# KiCad board ciaa_acc.kicad_pcb (continued)
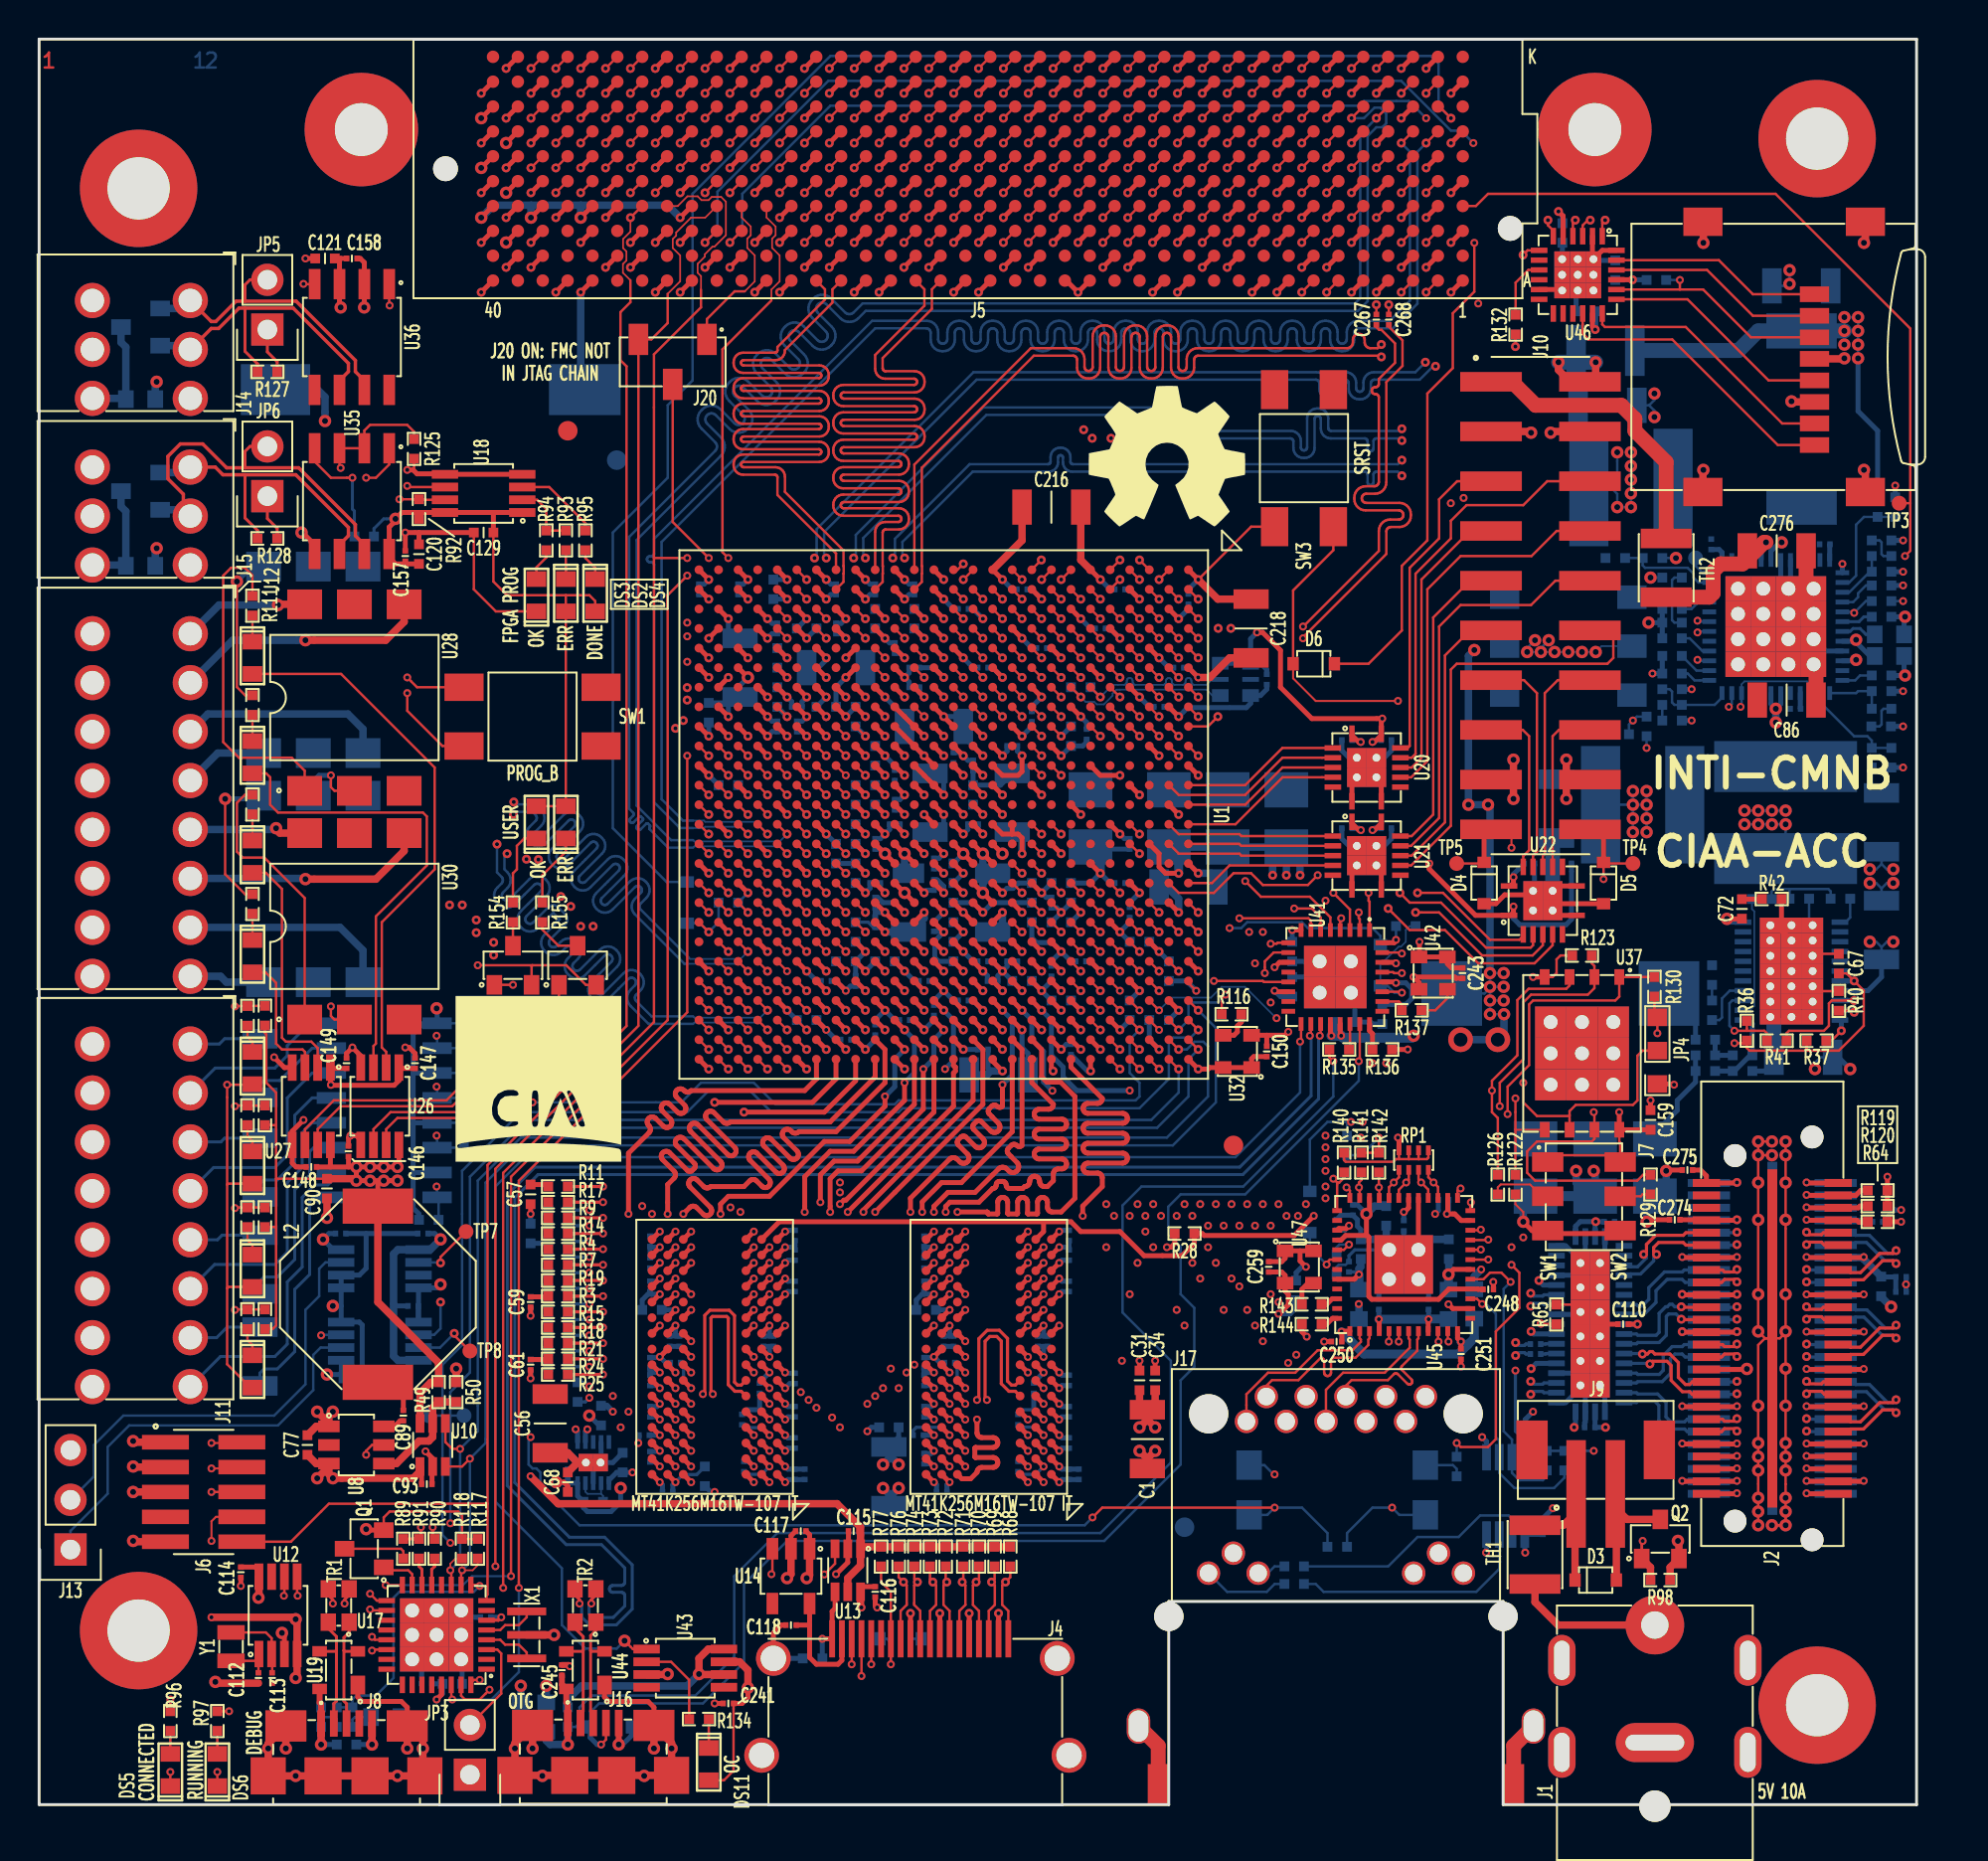
[diagram p0: board, top side]
## Routing (per net, layer and track width the routed paths; a pad name or vN(x,y) marks a point on that pad's centre or on a via; arc(x,y) is an arc through that point) (continued)
/Principal/BANKS_HP/FMC_HA_2_P: length 54.3
  TOP_L1.Sig w0.127: v2(64.49,88.67) 65.08,89.27 J5.K7 ; U1.G2 v2(53.2,61.57)
  L10.Sig w0.089: v2(53.2,61.57) 53.83,62.2 59.7,62.2 59.71,62.21 60.38,62.21 60.4,62.21 60.42,62.22 60.44,62.23 60.45,62.25 60.47,62.27 60.47,62.29 60.48,62.31 60.48,62.51 60.48,62.53 60.49,62.55 60.5,62.57 60.51,62.59 60.53,62.6 60.55,62.61 60.58,62.61 60.6,62.61 60.62,62.6 60.64,62.59 60.65,62.57 60.67,62.55 60.67,62.53 60.68,62.51 60.68,62.31 60.68,62.29 60.69,62.27 60.7,62.25 60.71,62.23 60.73,62.22 60.75,62.21 60.78,62.21 60.8,62.21 60.82,62.22 60.84,62.23 60.85,62.25 60.87,62.27 60.87,62.29 60.88,62.31 60.88,62.51 60.88,62.53 60.89,62.55 60.9,62.57 60.91,62.59 60.93,62.6 60.95,62.61 60.98,62.61 61,62.61 61.02,62.6 61.04,62.59 61.05,62.57 61.07,62.55 61.07,62.53 61.08,62.51 61.08,62.31 61.08,62.29 61.09,62.27 61.1,62.25 61.11,62.23 61.13,62.22 61.15,62.21 61.18,62.21 61.2,62.21 61.22,62.22 61.24,62.23 61.25,62.25 61.27,62.27 61.27,62.29 61.28,62.31 61.28,62.51 61.28,62.53 61.29,62.55 61.3,62.57 61.31,62.59 61.33,62.6 61.35,62.61 61.38,62.61 61.4,62.61 61.42,62.6 61.44,62.59 61.45,62.57 61.47,62.55 61.47,62.53 61.48,62.51 61.48,62.31 61.48,62.29 61.49,62.27 61.5,62.25 61.51,62.23 61.53,62.22 61.55,62.21 61.58,62.21 64.98,65.62 64.98,65.64 64.97,65.67 64.96,65.69 64.94,65.7 64.92,65.72 64.9,65.73 64.87,65.73 64.56,65.73 64.48,65.74 64.4,65.76 64.33,65.81 64.28,65.87 64.23,65.94 64.2,66.01 64.2,66.1 64.2,66.14 64.2,66.22 64.23,66.3 64.28,66.37 64.33,66.43 64.4,66.47 64.48,66.5 64.56,66.51 65.66,66.51 65.69,66.51 65.71,66.52 65.73,66.53 65.75,66.55 65.76,66.57 65.77,66.59 65.77,66.62 65.77,66.64 65.76,66.67 65.75,66.69 65.73,66.7 65.71,66.72 65.69,66.73 65.66,66.73 65.35,66.73 65.27,66.74 65.19,66.76 65.12,66.81 65.06,66.87 65.02,66.94 64.99,67.01 64.98,67.1 64.98,67.14 64.99,67.22 65.02,67.3 65.06,67.37 65.12,67.43 65.19,67.47 65.27,67.5 65.35,67.51 65.66,67.51 65.69,67.51 65.71,67.52 65.73,67.53 65.75,67.55 65.76,67.57 65.77,67.59 65.77,67.62 65.77,67.64 65.76,67.67 65.75,67.69 65.73,67.7 65.71,67.72 65.69,67.73 65.66,67.73 65.35,67.73 65.27,67.74 65.19,67.76 65.12,67.81 65.06,67.87 65.02,67.94 64.99,68.01 64.98,68.1 64.98,68.14 64.99,68.22 65.02,68.3 65.06,68.37 65.12,68.43 65.19,68.47 65.27,68.5 65.35,68.51 65.66,68.51 65.69,68.51 65.71,68.52 65.73,68.53 65.75,68.55 65.76,68.57 65.77,68.59 65.77,68.62 65.77,68.64 65.76,68.67 65.75,68.69 65.73,68.7 65.71,68.72 65.69,68.73 65.66,68.73 65.35,68.73 65.27,68.74 65.19,68.76 65.12,68.81 65.06,68.87 65.02,68.94 64.99,69.01 64.98,69.1 64.98,69.14 64.99,69.22 65.02,69.3 65.06,69.37 65.12,69.43 65.19,69.47 65.27,69.5 65.35,69.51 65.66,69.51 65.69,69.51 65.71,69.52 65.73,69.53 65.75,69.55 65.76,69.57 65.77,69.59 65.77,69.62 65.77,69.64 65.76,69.67 65.75,69.69 65.73,69.7 65.71,69.72 65.69,69.73 65.66,69.73 65.35,69.73 65.27,69.74 65.19,69.76 65.12,69.81 65.06,69.87 65.02,69.94 64.99,70.01 64.98,70.1 64.98,70.14 64.99,70.22 65.02,70.3 65.06,70.37 65.12,70.43 65.19,70.47 65.27,70.5 65.35,70.51 65.66,70.51 65.69,70.51 65.71,70.52 65.73,70.53 65.75,70.55 65.76,70.57 65.77,70.59 65.77,70.62 65.77,70.64 65.76,70.67 65.75,70.69 65.73,70.7 65.71,70.72 65.69,70.73 65.66,70.73 65.35,70.73 65.27,70.74 65.19,70.76 65.12,70.81 65.06,70.87 65.02,70.94 64.99,71.01 64.98,71.1 64.98,71.14 64.99,71.22 65.02,71.3 65.06,71.37 65.12,71.43 65.19,71.47 65.27,71.5 65.35,71.51 65.66,71.51 65.69,71.51 65.71,71.52 65.73,71.53 65.75,71.55 65.76,71.57 65.77,71.59 65.77,71.62 65.77,71.64 65.76,71.67 65.75,71.69 65.73,71.7 65.71,71.72 65.69,71.73 65.66,71.73 65.35,71.73 65.27,71.74 65.19,71.76 65.12,71.81 65.06,71.87 65.02,71.94 64.99,72.01 64.98,72.1 64.98,72.14 64.99,72.22 65.02,72.3 65.06,72.37 65.12,72.43 65.19,72.47 65.27,72.5 65.35,72.51 65.66,72.51 65.69,72.51 65.71,72.52 65.73,72.53 65.75,72.55 65.76,72.57 65.77,72.59 65.77,72.62 65.77,72.64 65.76,72.67 65.75,72.69 65.73,72.7 65.71,72.72 65.69,72.73 65.66,72.73 65.35,72.73 65.27,72.74 65.19,72.76 65.12,72.81 65.06,72.87 65.02,72.94 64.99,73.01 64.98,73.1 64.98,73.14 64.99,73.22 65.02,73.3 65.06,73.37 65.12,73.43 65.19,73.47 65.27,73.5 65.35,73.51 65.66,73.51 65.69,73.51 65.71,73.52 65.73,73.53 65.75,73.55 65.76,73.57 65.77,73.59 65.77,73.62 65.77,73.64 65.76,73.67 65.75,73.69 65.73,73.7 65.71,73.72 65.69,73.73 65.66,73.73 65.35,73.73 65.27,73.74 65.19,73.76 65.12,73.81 65.06,73.87 65.02,73.94 64.99,74.01 64.98,74.1 64.98,74.14 64.99,74.22 65.02,74.3 65.06,74.37 65.12,74.43 65.19,74.47 65.27,74.5 65.35,74.51 65.66,74.51 65.69,74.51 65.71,74.52 65.73,74.53 65.75,74.55 65.76,74.57 65.77,74.59 65.77,74.62 65.77,74.64 65.76,74.67 65.75,74.69 65.73,74.7 65.71,74.72 65.69,74.73 65.66,74.73 65.35,74.73 65.27,74.74 65.19,74.76 65.12,74.81 65.06,74.87 65.02,74.94 64.99,75.01 64.98,75.1 64.98,75.14 64.99,75.22 65.02,75.3 65.06,75.37 65.12,75.43 65.19,75.47 65.27,75.5 65.35,75.51 65.66,75.51 65.69,75.51 65.71,75.52 65.73,75.53 65.75,75.55 65.76,75.57 65.77,75.59 65.77,75.62 65.77,75.64 65.76,75.67 65.75,75.69 65.73,75.7 65.71,75.72 65.69,75.73 65.66,75.73 65.35,75.73 65.27,75.74 65.19,75.76 65.12,75.81 65.06,75.87 65.02,75.94 64.99,76.01 64.98,76.1 64.98,77.6 64.98,84.04 64.94,84.09 64.02,84.09 63.71,84.4 63.71,87.9 v2(64.49,88.67)
/Principal/BANKS_HP/FMC_HA_3_N: length 54.3
  TOP_L1.Sig w0.127: U1.F4 v2(54.2,59.57) ; J5.J7 65.08,88 v2(64.49,87.4)
  L10.Sig w0.089: v2(64.49,87.4) 65,87.4 65.5,87.91 66.01,87.91 66.27,87.66 66.27,87.15 65.89,86.77 65.76,86.77 65.26,86.27 65.26,85.94 65.56,85.64 66.2,85.64 66.53,85.3 66.53,76.86 66.54,76.84 66.54,76.82 66.56,76.79 66.57,76.78 66.6,76.76 66.62,76.76 66.64,76.75 66.93,76.75 67.01,76.74 67.09,76.72 67.16,76.67 67.21,76.61 67.26,76.54 67.29,76.47 67.29,76.39 67.29,76.34 67.29,76.26 67.26,76.18 67.21,76.11 67.16,76.05 67.09,76.01 67.01,75.98 66.93,75.97 66.64,75.97 66.62,75.97 66.6,75.96 66.57,75.95 66.56,75.93 66.54,75.91 66.54,75.89 66.53,75.86 66.54,75.84 66.54,75.82 66.56,75.79 66.57,75.78 66.6,75.76 66.62,75.76 66.64,75.75 66.93,75.75 67.01,75.74 67.09,75.72 67.16,75.67 67.21,75.61 67.26,75.54 67.29,75.47 67.29,75.39 67.29,75.34 67.29,75.26 67.26,75.18 67.21,75.11 67.16,75.05 67.09,75.01 67.01,74.98 66.93,74.97 66.64,74.97 66.62,74.97 66.6,74.96 66.57,74.95 66.56,74.93 66.54,74.91 66.54,74.89 66.53,74.86 66.54,74.84 66.54,74.82 66.56,74.79 66.57,74.78 66.6,74.76 66.62,74.76 66.64,74.75 66.93,74.75 67.01,74.74 67.09,74.72 67.16,74.67 67.21,74.61 67.26,74.54 67.29,74.47 67.29,74.39 67.29,74.34 67.29,74.26 67.26,74.18 67.21,74.11 67.16,74.05 67.09,74.01 67.01,73.98 66.93,73.97 66.64,73.97 66.62,73.97 66.6,73.96 66.57,73.95 66.56,73.93 66.54,73.91 66.54,73.89 66.53,73.86 66.54,73.84 66.54,73.82 66.56,73.79 66.57,73.78 66.6,73.76 66.62,73.76 66.64,73.75 66.93,73.75 67.01,73.74 67.09,73.72 67.16,73.67 67.21,73.61 67.26,73.54 67.29,73.47 67.29,73.39 67.29,73.34 67.29,73.26 67.26,73.18 67.21,73.11 67.16,73.05 67.09,73.01 67.01,72.98 66.93,72.97 66.64,72.97 66.62,72.97 66.6,72.96 66.57,72.95 66.56,72.93 66.54,72.91 66.54,72.89 66.53,72.86 66.54,72.84 66.54,72.82 66.56,72.79 66.57,72.78 66.6,72.76 66.62,72.76 66.64,72.75 66.93,72.75 67.01,72.74 67.09,72.72 67.16,72.67 67.21,72.61 67.26,72.54 67.29,72.47 67.29,72.39 67.29,72.34 67.29,72.26 67.26,72.18 67.21,72.11 67.16,72.05 67.09,72.01 67.01,71.98 66.93,71.97 66.64,71.97 66.62,71.97 66.6,71.96 66.57,71.95 66.56,71.93 66.54,71.91 66.54,71.89 66.53,71.86 66.54,71.84 66.54,71.82 66.56,71.79 66.57,71.78 66.6,71.76 66.62,71.76 66.64,71.75 66.93,71.75 67.01,71.74 67.09,71.72 67.16,71.67 67.21,71.61 67.26,71.54 67.29,71.47 67.29,71.39 67.29,71.34 67.29,71.26 67.26,71.18 67.21,71.11 67.16,71.05 67.09,71.01 67.01,70.98 66.93,70.97 66.64,70.97 66.62,70.97 66.6,70.96 66.57,70.95 66.56,70.93 66.54,70.91 66.54,70.89 66.53,70.86 66.54,70.84 66.54,70.82 66.56,70.79 66.57,70.78 66.6,70.76 66.62,70.76 66.64,70.75 66.93,70.75 67.01,70.74 67.09,70.72 67.16,70.67 67.21,70.61 67.26,70.54 67.29,70.47 67.29,70.39 67.29,70.34 67.29,70.26 67.26,70.18 67.21,70.11 67.16,70.05 67.09,70.01 67.01,69.98 66.93,69.97 66.64,69.97 66.62,69.97 66.6,69.96 66.57,69.95 66.56,69.93 66.54,69.91 66.54,69.89 66.53,69.86 66.54,69.84 66.54,69.82 66.56,69.79 66.57,69.78 66.6,69.76 66.62,69.76 66.64,69.75 66.93,69.75 67.01,69.74 67.09,69.72 67.16,69.67 67.21,69.61 67.26,69.54 67.29,69.47 67.29,69.39 67.29,69.34 67.29,69.26 67.26,69.18 67.21,69.11 67.16,69.05 67.09,69.01 67.01,68.98 66.93,68.97 66.64,68.97 66.62,68.97 66.6,68.96 66.57,68.95 66.56,68.93 66.54,68.91 66.54,68.89 66.53,68.86 66.54,68.84 66.54,68.82 66.56,68.79 66.57,68.78 66.6,68.76 66.62,68.76 66.64,68.75 66.93,68.75 67.01,68.74 67.09,68.72 67.16,68.67 67.21,68.61 67.26,68.54 67.29,68.47 67.29,68.39 67.29,68.34 67.29,68.26 67.26,68.18 67.21,68.11 67.16,68.05 67.09,68.01 67.01,67.98 66.93,67.97 66.64,67.97 66.62,67.97 66.6,67.96 66.57,67.95 66.56,67.93 66.54,67.91 66.54,67.89 66.53,67.86 66.54,67.84 66.54,67.82 66.56,67.79 66.57,67.78 66.6,67.76 66.62,67.76 66.64,67.75 66.93,67.75 67.01,67.74 67.09,67.72 67.16,67.67 67.21,67.61 67.26,67.54 67.29,67.47 67.29,67.39 67.29,67.34 67.29,67.26 67.26,67.18 67.21,67.11 67.16,67.05 67.09,67.01 67.01,66.98 66.93,66.97 66.64,66.97 66.62,66.97 66.6,66.96 66.57,66.95 66.56,66.93 66.54,66.91 66.54,66.89 66.53,66.86 66.53,65.63 61.83,60.93 59.72,60.93 59.7,60.95 53.9,60.95 53.82,60.87 53.82,59.95 v2(54.2,59.57)
/Principal/BANKS_HP/FMC_HA_3_P: length 54.3
  TOP_L1.Sig w0.127: U1.G4 v2(53.2,59.57) ; v2(65.76,87.4) 66.35,88 J5.J6
  L10.Sig w0.089: v2(53.2,59.57) 53.58,59.95 53.58,61.04 53.73,61.19 59.7,61.19 59.72,61.21 61.72,61.21 65.19,64.68 65.2,64.7 65.21,64.71 65.22,64.73 65.22,64.75 65.21,64.77 65.2,64.79 65.19,64.81 65.12,64.88 65.1,64.9 65.1,64.91 65.09,64.93 65.09,64.95 65.1,64.97 65.1,64.99 65.12,65.01 65.13,65.02 65.15,65.03 65.17,65.03 65.19,65.03 65.21,65.03 65.23,65.02 65.24,65.01 65.32,64.93 65.33,64.92 65.35,64.91 65.37,64.91 65.39,64.91 65.41,64.91 65.43,64.92 65.44,64.93 65.45,64.95 65.46,64.97 65.47,64.99 65.47,65.01 65.46,65.02 65.45,65.04 65.44,65.06 65.37,65.13 65.36,65.15 65.35,65.16 65.34,65.18 65.34,65.2 65.35,65.22 65.36,65.24 65.37,65.26 65.38,65.27 65.4,65.28 65.42,65.28 65.44,65.28 65.46,65.28 65.48,65.27 65.49,65.26 65.57,65.18 65.58,65.17 65.6,65.16 65.62,65.16 65.64,65.16 65.66,65.16 65.68,65.17 65.69,65.18 65.7,65.2 65.71,65.22 65.72,65.24 65.72,65.26 65.71,65.28 65.7,65.29 65.69,65.31 65.51,65.49 65.5,65.5 65.49,65.52 65.49,65.54 65.49,65.56 65.49,65.58 65.5,65.6 65.51,65.61 65.53,65.63 65.55,65.64 65.57,65.64 65.59,65.64 65.61,65.64 65.62,65.63 65.64,65.61 65.82,65.44 65.83,65.42 65.85,65.41 65.87,65.41 65.89,65.41 65.91,65.41 65.93,65.42 65.94,65.44 65.96,65.45 65.97,65.47 65.97,65.49 65.97,65.51 65.97,65.53 65.96,65.55 65.94,65.56 65.66,65.85 65.65,65.86 65.64,65.88 65.63,65.9 65.63,65.92 65.64,65.94 65.65,65.96 65.66,65.97 65.67,65.98 65.69,65.99 65.71,66 65.73,66 65.75,65.99 65.77,65.98 65.78,65.97 66.07,65.69 66.09,65.67 66.1,65.67 66.12,65.66 66.14,65.66 66.16,65.67 66.18,65.67 66.2,65.69 66.25,65.74 66.25,66.89 66.26,66.97 66.29,67.04 66.33,67.11 66.39,67.17 66.46,67.22 66.54,67.24 66.62,67.25 66.9,67.25 66.93,67.26 66.95,67.26 66.97,67.28 66.99,67.29 67,67.32 67.01,67.34 67.02,67.36 67.01,67.39 67,67.41 66.99,67.43 66.97,67.45 66.95,67.46 66.93,67.47 66.9,67.47 66.62,67.47 66.54,67.48 66.46,67.51 66.39,67.55 66.33,67.61 66.29,67.68 66.26,67.76 66.25,67.84 66.25,67.89 66.26,67.97 66.29,68.04 66.33,68.11 66.39,68.17 66.46,68.22 66.54,68.24 66.62,68.25 66.9,68.25 66.93,68.26 66.95,68.26 66.97,68.28 66.99,68.29 67,68.32 67.01,68.34 67.02,68.36 67.01,68.39 67,68.41 66.99,68.43 66.97,68.45 66.95,68.46 66.93,68.47 66.9,68.47 66.62,68.47 66.54,68.48 66.46,68.51 66.39,68.55 66.33,68.61 66.29,68.68 66.26,68.76 66.25,68.84 66.25,68.89 66.26,68.97 66.29,69.04 66.33,69.11 66.39,69.17 66.46,69.22 66.54,69.24 66.62,69.25 66.9,69.25 66.93,69.26 66.95,69.26 66.97,69.28 66.99,69.29 67,69.32 67.01,69.34 67.02,69.36 67.01,69.39 67,69.41 66.99,69.43 66.97,69.45 66.95,69.46 66.93,69.47 66.9,69.47 66.62,69.47 66.54,69.48 66.46,69.51 66.39,69.55 66.33,69.61 66.29,69.68 66.26,69.76 66.25,69.84 66.25,69.89 66.26,69.97 66.29,70.04 66.33,70.11 66.39,70.17 66.46,70.22 66.54,70.24 66.62,70.25 66.9,70.25 66.93,70.26 66.95,70.26 66.97,70.28 66.99,70.29 67,70.32 67.01,70.34 67.02,70.36 67.01,70.39 67,70.41 66.99,70.43 66.97,70.45 66.95,70.46 66.93,70.47 66.9,70.47 66.62,70.47 66.54,70.48 66.46,70.51 66.39,70.55 66.33,70.61 66.29,70.68 66.26,70.76 66.25,70.84 66.25,70.89 66.26,70.97 66.29,71.04 66.33,71.11 66.39,71.17 66.46,71.22 66.54,71.24 66.62,71.25 66.9,71.25 66.93,71.26 66.95,71.26 66.97,71.28 66.99,71.29 67,71.32 67.01,71.34 67.02,71.36 67.01,71.39 67,71.41 66.99,71.43 66.97,71.45 66.95,71.46 66.93,71.47 66.9,71.47 66.62,71.47 66.54,71.48 66.46,71.51 66.39,71.55 66.33,71.61 66.29,71.68 66.26,71.76 66.25,71.84 66.25,71.89 66.26,71.97 66.29,72.04 66.33,72.11 66.39,72.17 66.46,72.22 66.54,72.24 66.62,72.25 66.9,72.25 66.93,72.26 66.95,72.26 66.97,72.28 66.99,72.29 67,72.32 67.01,72.34 67.02,72.36 67.01,72.39 67,72.41 66.99,72.43 66.97,72.45 66.95,72.46 66.93,72.47 66.9,72.47 66.62,72.47 66.54,72.48 66.46,72.51 66.39,72.55 66.33,72.61 66.29,72.68 66.26,72.76 66.25,72.84 66.25,72.89 66.26,72.97 66.29,73.04 66.33,73.11 66.39,73.17 66.46,73.22 66.54,73.24 66.62,73.25 66.9,73.25 66.93,73.26 66.95,73.26 66.97,73.28 66.99,73.29 67,73.32 67.01,73.34 67.02,73.36 67.01,73.39 67,73.41 66.99,73.43 66.97,73.45 66.95,73.46 66.93,73.47 66.9,73.47 66.62,73.47 66.54,73.48 66.46,73.51 66.39,73.55 66.33,73.61 66.29,73.68 66.26,73.76 66.25,73.84 66.25,73.89 66.26,73.97 66.29,74.04 66.33,74.11 66.39,74.17 66.46,74.22 66.54,74.24 66.62,74.25 66.9,74.25 66.93,74.26 66.95,74.26 66.97,74.28 66.99,74.29 67,74.32 67.01,74.34 67.02,74.36 67.01,74.39 67,74.41 66.99,74.43 66.97,74.45 66.95,74.46 66.93,74.47 66.9,74.47 66.62,74.47 66.54,74.48 66.46,74.51 66.39,74.55 66.33,74.61 66.29,74.68 66.26,74.76 66.25,74.84 66.25,74.89 66.26,74.97 66.29,75.04 66.33,75.11 66.39,75.17 66.46,75.22 66.54,75.24 66.62,75.25 66.9,75.25 66.93,75.26 66.95,75.26 66.97,75.28 66.99,75.29 67,75.32 67.01,75.34 67.02,75.36 67.01,75.39 67,75.41 66.99,75.43 66.97,75.45 66.95,75.46 66.93,75.47 66.9,75.47 66.62,75.47 66.54,75.48 66.46,75.51 66.39,75.55 66.33,75.61 66.29,75.68 66.26,75.76 66.25,75.84 66.25,75.89 66.26,75.97 66.29,76.04 66.33,76.11 66.39,76.17 66.46,76.22 66.54,76.24 66.62,76.25 66.9,76.25 66.93,76.26 66.95,76.26 66.97,76.28 66.99,76.29 67,76.32 67.01,76.34 67.02,76.36 67.01,76.39 67,76.41 66.99,76.43 66.97,76.45 66.95,76.46 66.93,76.47 66.9,76.47 66.62,76.47 66.54,76.48 66.46,76.51 66.39,76.55 66.33,76.61 66.29,76.68 66.26,76.76 66.25,76.84 66.25,85.19 66.08,85.36 65.45,85.36 64.98,85.82 64.98,86.63 v2(65.76,87.4)
/Principal/BANKS_HP/FMC_HA_4_N: length 54.3
  TOP_L1.Sig w0.127: J5.F8 63.81,84.19 v2(63.22,83.59) ; U1.E1 v2(55.2,63.57)
  L10.Sig w0.089: v2(55.2,63.57) 55.58,63.19 59.7,63.19 59.72,63.21 61.43,63.21 63.71,65.49 63.71,65.91 63.71,65.93 63.7,65.96 63.69,65.98 63.67,66 63.65,66.01 63.62,66.02 63.6,66.02 63.45,66.02 63.43,66.02 63.4,66.03 63.38,66.05 63.36,66.06 63.35,66.09 63.34,66.11 63.34,66.14 63.34,66.16 63.35,66.18 63.36,66.21 63.38,66.22 63.4,66.24 63.43,66.25 63.45,66.25 63.6,66.25 63.62,66.25 63.65,66.26 63.67,66.27 63.69,66.29 63.7,66.31 63.71,66.34 63.71,66.36 63.71,66.39 63.7,66.41 63.69,66.43 63.67,66.45 63.65,66.46 63.63,66.47 63.6,66.47 63.31,66.47 63.23,66.48 63.15,66.51 63.08,66.55 63.02,66.61 62.98,66.68 62.95,66.76 62.94,66.84 62.94,66.89 62.95,66.97 62.98,67.04 63.02,67.11 63.08,67.17 63.15,67.22 63.23,67.24 63.31,67.25 64.37,67.25 64.4,67.26 64.42,67.26 64.44,67.28 64.46,67.29 64.47,67.32 64.48,67.34 64.48,67.36 64.48,67.39 64.47,67.41 64.46,67.43 64.44,67.45 64.42,67.46 64.4,67.47 64.37,67.47 63.31,67.47 63.23,67.48 63.15,67.51 63.08,67.55 63.02,67.61 62.98,67.68 62.95,67.76 62.94,67.84 62.94,67.89 62.95,67.97 62.98,68.04 63.02,68.11 63.08,68.17 63.15,68.22 63.23,68.24 63.31,68.25 63.6,68.25 63.63,68.26 63.65,68.26 63.67,68.28 63.69,68.29 63.7,68.32 63.71,68.34 63.71,68.36 63.71,68.39 63.72,68.47 63.75,68.54 63.79,68.61 63.85,68.67 63.92,68.72 64,68.74 64.08,68.75 64.37,68.75 64.4,68.76 64.42,68.76 64.44,68.78 64.46,68.79 64.47,68.82 64.48,68.84 64.48,68.86 64.48,68.89 64.47,68.91 64.46,68.93 64.44,68.95 64.42,68.96 64.4,68.97 64.37,68.97 64.08,68.97 64,68.98 63.92,69.01 63.85,69.05 63.79,69.11 63.75,69.18 63.72,69.26 63.71,69.34 63.71,69.39 63.72,69.47 63.75,69.54 63.79,69.61 63.85,69.67 63.92,69.72 64,69.74 64.08,69.75 64.37,69.75 64.4,69.76 64.42,69.76 64.44,69.78 64.46,69.79 64.47,69.82 64.48,69.84 64.48,69.86 64.48,69.89 64.47,69.91 64.46,69.93 64.44,69.95 64.42,69.96 64.4,69.97 64.37,69.97 64.08,69.97 64,69.98 63.92,70.01 63.85,70.05 63.79,70.11 63.75,70.18 63.72,70.26 63.71,70.34 63.71,70.39 63.72,70.47 63.75,70.54 63.79,70.61 63.85,70.67 63.92,70.72 64,70.74 64.08,70.75 64.37,70.75 64.4,70.76 64.42,70.76 64.44,70.78 64.46,70.79 64.47,70.82 64.48,70.84 64.48,70.86 64.48,70.89 64.47,70.91 64.46,70.93 64.44,70.95 64.42,70.96 64.4,70.97 64.37,70.97 64.08,70.97 64,70.98 63.92,71.01 63.85,71.05 63.79,71.11 63.75,71.18 63.72,71.26 63.71,71.34 63.71,71.39 63.72,71.47 63.75,71.54 63.79,71.61 63.85,71.67 63.92,71.72 64,71.74 64.08,71.75 64.37,71.75 64.4,71.76 64.42,71.76 64.44,71.78 64.46,71.79 64.47,71.82 64.48,71.84 64.48,71.86 64.48,71.89 64.47,71.91 64.46,71.93 64.44,71.95 64.42,71.96 64.4,71.97 64.37,71.97 63.5,71.97 63.44,71.98 63.37,72 63.31,72.04 63.26,72.09 63.22,72.15 63.2,72.21 63.19,72.28 63.19,72.44 63.2,72.51 63.22,72.58 63.26,72.64 63.31,72.68 63.37,72.72 63.44,72.74 63.5,72.75 64.37,72.75 64.4,72.76 64.42,72.76 64.44,72.78 64.46,72.79 64.47,72.82 64.48,72.84 64.48,72.86 64.48,72.89 64.47,72.91 64.46,72.93 64.44,72.95 64.42,72.96 64.4,72.97 64.37,72.97 63.31,72.97 63.23,72.98 63.15,73.01 63.08,73.05 63.02,73.11 62.98,73.18 62.95,73.26 62.94,73.34 62.94,73.39 62.95,73.47 62.98,73.54 63.02,73.61 63.08,73.67 63.15,73.72 63.23,73.74 63.31,73.75 64.37,73.75 64.4,73.76 64.42,73.76 64.44,73.78 64.46,73.79 64.47,73.82 64.48,73.84 64.48,73.86 64.48,73.89 64.47,73.91 64.46,73.93 64.44,73.95 64.42,73.96 64.4,73.97 64.37,73.97 63.31,73.97 63.23,73.98 63.15,74.01 63.08,74.05 63.02,74.11 62.98,74.18 62.95,74.26 62.94,74.34 62.94,74.39 62.95,74.47 62.98,74.54 63.02,74.61 63.08,74.67 63.15,74.72 63.23,74.74 63.31,74.75 64.37,74.75 64.4,74.76 64.42,74.76 64.44,74.78 64.46,74.79 64.47,74.82 64.48,74.84 64.48,74.86 64.48,74.89 64.47,74.91 64.46,74.93 64.44,74.95 64.42,74.96 64.4,74.97 64.37,74.97 63.31,74.97 63.23,74.98 63.15,75.01 63.08,75.05 63.02,75.11 62.98,75.18 62.95,75.26 62.94,75.34 62.94,75.39 62.95,75.47 62.98,75.54 63.02,75.61 63.08,75.67 63.15,75.72 63.23,75.74 63.31,75.75 64.37,75.75 64.4,75.76 64.42,75.76 64.44,75.78 64.46,75.79 64.47,75.82 64.48,75.84 64.48,75.86 64.48,75.89 64.47,75.91 64.46,75.93 64.44,75.95 64.42,75.96 64.4,75.97 64.37,75.97 63.31,75.97 63.23,75.98 63.15,76.01 63.08,76.05 63.02,76.11 62.98,76.18 62.95,76.26 62.94,76.34 62.94,76.39 62.95,76.47 62.98,76.54 63.02,76.61 63.08,76.67 63.15,76.72 63.23,76.74 63.31,76.75 63.6,76.75 63.63,76.76 63.65,76.76 63.67,76.78 63.69,76.79 63.7,76.82 63.71,76.84 63.71,76.86 63.71,81.29 63.46,81.55 61.38,81.55 61.17,81.76 61.17,82.76 61.51,83.1 63.48,83.1 63.6,83.21 63.6,83.34 63.47,83.47 63.34,83.47 v2(63.22,83.59)
/Principal/BANKS_HP/FMC_HA_4_P: length 54.3
  TOP_L1.Sig w0.127: U1.E2 v2(55.2,62.57) ; v2(64.49,83.59) 65.08,84.19 J5.F7
  L10.Sig w0.089: v2(55.2,62.57) 55.58,62.95 59.7,62.95 59.72,62.93 61.55,62.93 63.99,65.38 63.99,66.39 63.98,66.47 63.96,66.54 63.91,66.61 63.85,66.67 63.78,66.72 63.71,66.74 63.63,66.75 63.33,66.75 63.31,66.76 63.29,66.76 63.26,66.78 63.25,66.79 63.23,66.82 63.23,66.84 63.22,66.86 63.23,66.89 63.23,66.91 63.25,66.93 63.26,66.95 63.29,66.96 63.31,66.97 63.33,66.97 64.4,66.97 64.48,66.98 64.55,67.01 64.62,67.05 64.68,67.11 64.73,67.18 64.75,67.26 64.76,67.34 64.76,67.39 64.75,67.47 64.73,67.54 64.68,67.61 64.62,67.67 64.55,67.72 64.48,67.74 64.4,67.75 63.33,67.75 63.31,67.76 63.29,67.76 63.26,67.78 63.25,67.79 63.23,67.82 63.23,67.84 63.22,67.86 63.23,67.89 63.23,67.91 63.25,67.93 63.26,67.95 63.29,67.96 63.31,67.97 63.33,67.97 63.63,67.97 63.71,67.98 63.78,68.01 63.85,68.05 63.91,68.11 63.96,68.18 63.98,68.26 63.99,68.34 63.99,68.36 64,68.39 64,68.41 64.02,68.43 64.03,68.45 64.06,68.46 64.08,68.47 64.1,68.47 64.4,68.47 64.48,68.48 64.55,68.51 64.62,68.55 64.68,68.61 64.73,68.68 64.75,68.76 64.76,68.84 64.76,68.89 64.75,68.97 64.73,69.04 64.68,69.11 64.62,69.17 64.55,69.22 64.48,69.24 64.4,69.25 64.1,69.25 64.08,69.26 64.06,69.26 64.03,69.28 64.02,69.29 64,69.32 64,69.34 63.99,69.36 64,69.39 64,69.41 64.02,69.43 64.03,69.45 64.06,69.46 64.08,69.47 64.1,69.47 64.4,69.47 64.48,69.48 64.55,69.51 64.62,69.55 64.68,69.61 64.73,69.68 64.75,69.76 64.76,69.84 64.76,69.89 64.75,69.97 64.73,70.04 64.68,70.11 64.62,70.17 64.55,70.22 64.48,70.24 64.4,70.25 64.1,70.25 64.08,70.26 64.06,70.26 64.03,70.28 64.02,70.29 64,70.32 64,70.34 63.99,70.36 64,70.39 64,70.41 64.02,70.43 64.03,70.45 64.06,70.46 64.08,70.47 64.1,70.47 64.4,70.47 64.48,70.48 64.55,70.51 64.62,70.55 64.68,70.61 64.73,70.68 64.75,70.76 64.76,70.84 64.76,70.89 64.75,70.97 64.73,71.04 64.68,71.11 64.62,71.17 64.55,71.22 64.48,71.24 64.4,71.25 64.1,71.25 64.08,71.26 64.06,71.26 64.03,71.28 64.02,71.29 64,71.32 64,71.34 63.99,71.36 64,71.39 64,71.41 64.02,71.43 64.03,71.45 64.06,71.46 64.08,71.47 64.1,71.47 64.4,71.47 64.48,71.48 64.55,71.51 64.62,71.55 64.68,71.61 64.73,71.68 64.75,71.76 64.76,71.84 64.76,71.89 64.75,71.97 64.73,72.04 64.68,72.11 64.62,72.17 64.55,72.22 64.48,72.24 64.4,72.25 63.52,72.25 63.51,72.25 63.5,72.26 63.49,72.26 63.48,72.27 63.48,72.28 63.47,72.29 63.47,72.3 63.47,72.42 63.47,72.43 63.48,72.44 63.48,72.45 63.49,72.46 63.5,72.47 63.51,72.47 63.52,72.47 64.4,72.47 64.48,72.48 64.55,72.51 64.62,72.55 64.68,72.61 64.73,72.68 64.75,72.76 64.76,72.84 64.76,72.89 64.75,72.97 64.73,73.04 64.68,73.11 64.62,73.17 64.55,73.22 64.48,73.24 64.4,73.25 63.33,73.25 63.31,73.26 63.29,73.26 63.26,73.28 63.25,73.29 63.23,73.32 63.23,73.34 63.22,73.36 63.23,73.39 63.23,73.41 63.25,73.43 63.26,73.45 63.29,73.46 63.31,73.47 63.33,73.47 64.4,73.47 64.48,73.48 64.55,73.51 64.62,73.55 64.68,73.61 64.73,73.68 64.75,73.76 64.76,73.84 64.76,73.89 64.75,73.97 64.73,74.04 64.68,74.11 64.62,74.17 64.55,74.22 64.48,74.24 64.4,74.25 63.33,74.25 63.31,74.26 63.29,74.26 63.26,74.28 63.25,74.29 63.23,74.32 63.23,74.34 63.22,74.36 63.23,74.39 63.23,74.41 63.25,74.43 63.26,74.45 63.29,74.46 63.31,74.47 63.33,74.47 64.4,74.47 64.48,74.48 64.55,74.51 64.62,74.55 64.68,74.61 64.73,74.68 64.75,74.76 64.76,74.84 64.76,74.89 64.75,74.97 64.73,75.04 64.68,75.11 64.62,75.17 64.55,75.22 64.48,75.24 64.4,75.25 63.33,75.25 63.31,75.26 63.29,75.26 63.26,75.28 63.25,75.29 63.23,75.32 63.23,75.34 63.22,75.36 63.23,75.39 63.23,75.41 63.25,75.43 63.26,75.45 63.29,75.46 63.31,75.47 63.33,75.47 64.4,75.47 64.48,75.48 64.55,75.51 64.62,75.55 64.68,75.61 64.73,75.68 64.75,75.76 64.76,75.84 64.76,75.89 64.75,75.97 64.73,76.04 64.68,76.11 64.62,76.17 64.55,76.22 64.48,76.24 64.4,76.25 63.33,76.25 63.31,76.26 63.29,76.26 63.26,76.28 63.25,76.29 63.23,76.32 63.23,76.34 63.22,76.36 63.23,76.39 63.23,76.41 63.25,76.43 63.26,76.45 63.29,76.46 63.31,76.47 63.33,76.47 63.63,76.47 63.71,76.48 63.78,76.51 63.85,76.55 63.91,76.61 63.96,76.68 63.98,76.76 63.99,76.84 63.99,81.41 63.57,81.83 61.5,81.83 61.45,81.87 61.45,82.65 61.62,82.82 63.71,82.82 v2(64.49,83.59)
